# KiCad board TKEEB.kicad_pcb (continued)
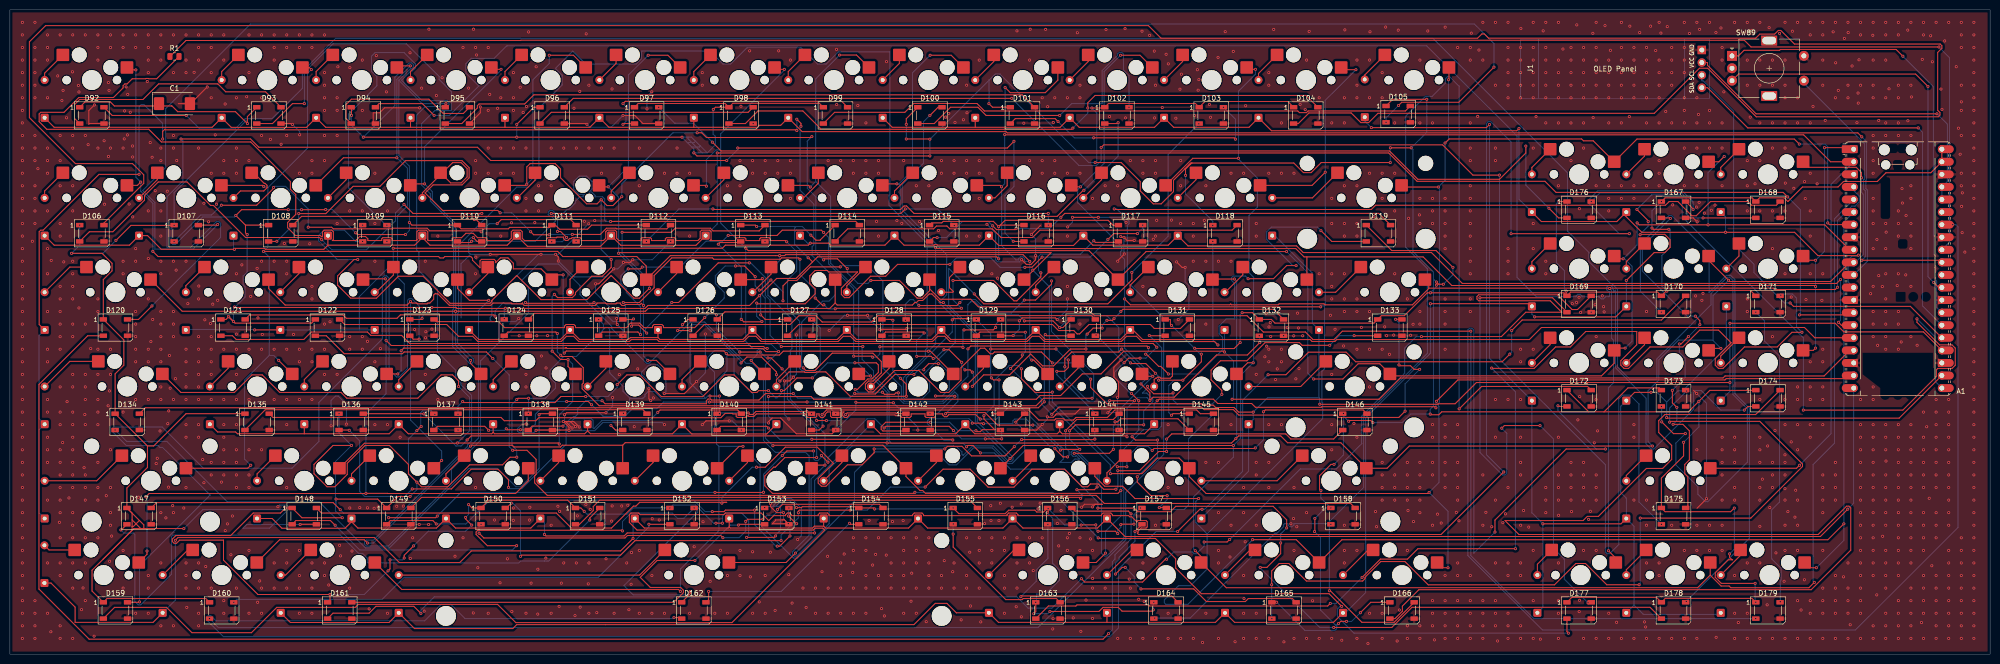
[diagram p0: board, top side]
## Routing (per net, layer and track width the routed paths; a pad name or vN(x,y) marks a point on that pad's centre or on a via; arc(x,y) is an arc through that point) (continued)
Net-(D127-DOUT): length 84.7
  Top w0.2: D127.2 159.14,66.59 210.31,66.59 211.54,65.37 214.62,65.37 215.3,64.69 215.8,64.69 217.7,66.59 230.07,66.59 230.86,65.8 236.14,65.8 D131.4
Net-(D128-DOUT): length 105.9
  Top w0.2: v1(217.07,61.64) 213.96,61.64 210.55,58.23 208.32,58.23 205.92,60.63 201.7,56.41 196.46,56.41 v1(194.15,54.1) ; v1(188.42,61.49) 189.47,61.49 v1(192.01,58.95) ; D128.2 176.67,65.07 184.24,65.07 v1(184.44,64.87) ; v1(186.27,59.73) 185.84,60.16 v1(182.95,60.16) ; v1(194.15,56.97) 193.7,57.42 v1(192.67,57.42) ; D132.4 254.91,69.66 224.54,69.66 v1(224.12,69.24) ; v1(217.32,64.65) 218.53,65.86 v1(220.35,65.86) ; v1(222.74,67.77) 222.4,67.43 v1(221.31,67.43)
  Bottom w0.2: v1(221.31,67.43) 220.35,66.47 v1(220.35,65.86) ; v1(194.15,54.1) 194.35,54.3 194.35,56.77 v1(194.15,56.97) ; v1(224.12,69.24) 224.12,69.15 v1(222.74,67.77) ; v1(182.95,60.16) 182.9,60.21 182.9,63.33 v1(184.44,64.87) ; v1(217.07,61.64) 217.07,64.4 v1(217.32,64.65) ; v1(192.01,58.95) 192.01,58.08 v1(192.67,57.42) ; v1(188.42,61.49) 186.66,59.73 v1(186.27,59.73)
Net-(D129-DOUT): length 129.8
  Top w0.2: v1(201.86,57.71) 204.24,60.09 v1(204.24,60.43) ; v1(204.85,65.03) 204.81,65.07 195.72,65.07 D129.2 ; v1(279.53,67.65) 280.8,67.65 D133.4 ; v1(281.46,49.08) 280.2,47.82 268.05,47.82 267.57,48.29 247.92,48.29 246.82,49.39 240.92,49.39 240.41,49.9 211.64,49.9 v1(210.19,48.45) ; v1(284.4,57.53) 283.28,57.53 282.56,58.25 280.41,58.25 v1(280.23,58.43)
  Bottom w0.2: v1(201.86,57.71) 201.93,57.71 208.07,51.57 208.07,50.57 v1(210.19,48.45) ; v1(280.23,58.43) 280.23,66.95 v1(279.53,67.65) ; v1(204.24,60.43) 204.85,61.04 v1(204.85,65.03) ; v1(284.4,57.53) 281.46,54.59 v1(281.46,49.08)
Net-(D130-DOUT): length 202.5
  Top w0.2: v1(208.67,50.97) 207.47,49.77 27.32,49.77 D134.4 ; D130.2 209.1,64.32 v1(208.87,64.55)
  Bottom w0.2: v1(208.87,64.55) 208.67,64.35 v1(208.67,50.97)
Net-(D131-DOUT): length 266.7
  Top w0.2: v1(229.85,64.37) 229.9,64.32 D131.2 ; D135.4 53.06,47.82 99.06,47.82 99.73,47.15 106.1,47.15 106.71,47.76 143.43,47.76 144.3,48.63 145.74,48.63 145.84,48.53 146.51,48.53 146.51,48.05 146.74,47.82 148.39,47.82 148.61,48.05 148.61,48.2 148.68,48.13 148.96,48.13 149.07,48.02 150.07,48.02 150.58,48.53 160.41,48.53 160.52,48.42 160.66,48.42 160.66,48.05 160.89,47.82 162.54,47.82 162.76,48.05 162.76,48.53 163.25,48.53 163.25,48.17 163.6,47.82 164.1,47.82 164.45,48.17 164.45,48.45 164.92,48.92 165.56,48.92 165.56,48.05 165.79,47.82 167.44,47.82 167.66,48.05 167.66,48.92 168.26,48.92 168.01,48.67 168.01,48.17 168.36,47.82 168.86,47.82 169.21,48.17 169.21,48.32 178.55,48.32 178.7,48.17 179.71,48.17 179.71,48.05 179.94,47.82 181.59,47.82 181.81,48.05 181.81,48.53 184.61,48.53 184.61,48.05 184.84,47.82 186.49,47.82 186.71,48.05 186.71,48.53 188.17,48.53 188.17,48.32 188.53,47.96 189.02,47.96 189.38,48.32 189.38,48.38 194.85,48.38 v1(195.75,47.48)
  Bottom w0.2: v1(229.85,64.37) 232.35,61.87 232.35,46.07 231.62,45.34 228.66,45.34 224.51,41.19 224.51,33.49 224.71,33.29 224.71,23.23 221.28,19.81 220.78,19.81 220.21,20.38 220.21,33.59 219.93,33.87 219.93,34.02 219.73,34.22 219.73,36.61 215.37,40.97 215.16,40.97 214.96,41.17 214.46,41.17 214.11,40.82 214.11,40.32 214.46,39.97 214.96,39.97 215.1,40.11 215.8,39.4 214.83,39.4 214.16,38.73 211.82,38.73 212.52,39.43 212.52,41.47 212.17,41.82 211.98,41.82 203.51,50.29 201.83,50.29 199.02,47.48 v1(195.75,47.48)
Net-(D132-DOUT): length 243.5
  Top w0.2: v1(212.82,58.05) 212.82,59.65 214.2,61.03 223.69,61.03 v1(224.29,61.63) ; v1(221.86,51.19) 226.88,51.19 v1(226.89,51.19) ; v1(225.36,43.91) 225.19,44.08 93.06,44.08 v1(92.24,43.26) ; 71.29,48.57 83.46,48.57 v1(83.49,48.54) ; v1(252.15,62.95) 249.63,60.43 243.41,60.43 234.89,51.9 230.63,51.9 v1(229.98,51.25) 229.98,52.78 v1(228.18,54.58)
  Bottom w0.2: v1(212.82,58.05) 212.82,55.78 217.51,51.09 221.76,51.09 v1(221.86,51.19) ; v1(92.24,43.26) 91.03,42.05 89.98,42.05 v1(83.49,48.54) ; v1(228.18,54.58) 229.35,55.76 229.35,56.57 v1(224.29,61.63) ; v1(252.15,62.95) 252.15,64.22 v1(252.05,64.32) ; v1(229.98,51.25) 229.44,51.79 227.48,51.79 v1(226.89,51.19) 225.36,49.67 v1(225.36,43.91)
Net-(D133-DOUT): length 257.4
  Top w0.2: v1(271.18,64.34) 271.2,64.32 D133.2 ; v1(155.64,53.23) 156.22,53.23 158.78,55.79 v1(161.88,55.79) ; v1(266.26,62.39) 260.69,62.39 260.16,62.92 253.2,62.92 249.54,59.26 244.22,59.26 242.32,57.37 242.32,55.42 244.49,53.25 v1(244.49,52.46) ; v1(213.78,45.11) 214.99,46.32 v1(228.73,46.32) ; v1(116.16,52.04) 111.17,52.04 109.95,50.82 91.53,50.82 v1(91.34,51.01) ; v1(170.52,53.48) 170.97,53.48 173.07,55.59 173.88,55.59 175.2,56.91 175.2,58.42 174.77,58.85 v1(170.46,58.85) ; v1(229.5,54.1) 229.5,53.84 230.75,52.6 234.48,52.6 v1(234.66,52.78) ; v1(215.83,41.36) 212.06,41.36 v1(211.92,41.22) ; v1(206.36,46.27) 199.25,46.27 196.74,48.78 188.99,48.78 188.65,48.44 ; v1(122.51,54.45) 124.47,56.41 127.04,56.41 131.42,52.02 139.75,52.02 144.14,56.41 146.09,56.41 149.63,52.86 150.69,52.86 151.06,53.23 v1(153.02,53.23) ; v1(90.4,48.46) 90.41,48.47 D137.4 ; v1(176.01,52.91) 176.43,52.49 178.46,52.49 178.75,52.78 v1(179.23,52.78)
  Bottom w0.2: v1(211.92,41.22) 206.87,46.27 v1(206.36,46.27) ; v1(116.16,52.04) 120.66,52.04 122.51,53.89 v1(122.51,54.45) ; v1(176.01,52.91) 171.09,52.91 v1(170.52,53.48) ; v1(213.78,45.11) 213.78,43.41 v1(215.83,41.36) ; v1(155.64,53.23) 155.64,52.66 154.77,51.79 154.47,51.79 v1(153.02,53.23) ; v1(271.18,64.34) 268.21,64.34 v1(266.26,62.39) ; v1(179.23,52.78) 179.23,51.71 180.25,50.69 188.37,50.69 190.62,52.94 190.63,52.94 191.23,52.34 191.23,51.02 v1(188.78,48.56) ; v1(90.4,48.46) 90.4,50.07 v1(91.34,51.01) ; v1(229.5,54.1) 229.5,53.76 228.47,52.73 229.35,52.73 230.58,51.5 230.58,51 228.73,49.15 v1(228.73,46.32) ; v1(170.46,58.85) 164.94,58.85 v1(161.88,55.79) ; v1(244.49,52.46) 242.54,50.51 235.48,50.51 234.66,51.33 v1(234.66,52.78)
Net-(D134-DOUT): length 118.8
  Top w0.2: v1(106.75,48.36) 106.96,48.57 D138.4
  Bottom w0.2: v1(21.22,45.27) 23.51,42.98 31.64,42.98 43.89,30.73 62.43,30.73 71.73,21.44 76.51,21.44 92.6,37.52 98.36,37.52 102.07,33.81 103.07,33.81 106.75,37.5 v1(106.75,48.36)
Net-(D135-DOUT): length 83.1
  Top w0.2: D135.2 51.51,49.37 127.71,49.37 D139.4
Net-(D136-DOUT): length 109.1
  Top w0.2: v1(130.7,48.85) 131.17,49.32 146.81,49.32 D140.4 ; v1(100.58,33.68) 100.58,35.24 98.46,37.36 93.05,37.36 89.07,33.37 v1(81.17,33.37) ; D136.2 68.4,45.27 v1(68.45,45.22)
  Bottom w0.2: v1(130.7,48.85) 129.03,47.18 119.44,47.18 117.85,45.6 117.74,45.6 117.64,45.7 117.64,47.23 117.32,47.54 115.8,47.54 115.75,47.59 113.86,47.59 112.19,45.93 112.19,45.4 112.19,45.4 112.19,44.9 112.19,44.9 112.19,42.37 103.23,33.41 100.85,33.41 v1(100.58,33.68) ; v1(81.17,33.37) 79.64,31.84 71.57,31.84 70.57,32.85 70.57,43.1 v1(68.45,45.22)
Net-(D137-DOUT): length 88.9
  Top w0.2: v1(117.34,50.37) 116.67,51.04 v1(112.33,51.04) ; v1(103.01,45.32) 100.33,45.32 v1(100.13,45.52) ; v1(141.1,50.93) v1(160.82,50.93) ; v1(96.58,45.22) 95.78,46.02 86.26,46.02 D137.2
  Bottom w0.2: v1(166.61,48.57) 164.25,50.93 v1(160.82,50.93) ; v1(103.01,45.32) 104.88,45.32 106.01,46.45 106.01,48.47 108.58,51.04 v1(112.33,51.04) ; v1(100.13,45.52) 99.83,45.22 v1(96.58,45.22) ; v1(141.1,50.93) 131.86,50.93 130.51,49.58 125.6,49.58 124.07,48.05 119.66,48.05 v1(117.34,50.37)
Net-(D138-DOUT): length 111
  Top w0.2: v1(190.63,52.09) 190.57,52.15 v1(186.72,52.15) ; v1(185.61,48.55) 185.63,48.57 D142.4 ; v1(170.43,52.69) 170.56,52.56 174.6,52.56 178.54,56.5 v1(182.37,56.5) ; v1(184.36,57.44) 184.36,57.68 185.36,58.68 v1(187.3,58.68) ; v1(119.46,51.19) 120.08,50.57 140.5,50.57 140.5,51.18 140.85,51.53 141.35,51.53 141.55,51.33 151.11,51.33 152.41,52.63 v1(158.03,52.63) ; v1(111.58,46.06) 105.35,46.06 D138.2
  Bottom w0.2: v1(190.63,52.09) 187.09,48.55 v1(185.61,48.55) ; v1(170.43,52.69) 169.46,51.72 158.95,51.72 v1(158.03,52.63) ; v1(111.58,46.06) 113.12,47.6 113.3,47.6 113.69,47.99 114.05,47.99 114.55,48.49 114.55,49.58 116.16,51.19 v1(119.46,51.19) ; v1(182.37,56.5) 183.32,57.44 v1(184.36,57.44) ; v1(187.3,58.68) 187.57,58.68 189.5,56.75 189.5,53.57 188.08,52.15 v1(186.72,52.15)
Net-(D139-DOUT): length 165.3
  Top w0.2: v1(121.25,46.18) 122.16,45.27 D139.2 ; D143.4 204.63,48.57 v1(202.93,46.87)
  Bottom w0.2: v1(202.93,46.87) 204.71,45.08 204.71,41.03 202.19,38.5 201.36,38.5 198.21,41.64 194.37,41.64 190.97,38.24 189.43,38.24 186.81,40.86 174.53,40.86 170.38,36.71 170.38,30.89 158.89,19.41 158.06,19.41 151.33,26.14 151.33,38.24 149.98,39.59 149.98,52.51 146.09,56.41 146.09,60.03 144.76,61.35 142.16,61.35 140.72,59.91 140.72,58.38 142.14,56.96 142.14,44.48 122.95,44.48 v1(121.25,46.18)
Net-(D140-DOUT): length 107.4
  Top w0.2: v1(196.43,46.55) 196.33,46.45 196.28,46.45 196.06,46.66 v1(194.15,46.66) ; v1(153.02,45.67) 152.67,46.02 143.41,46.02 D140.2 ; D144.4 222.61,47.42 215.24,47.42 212.98,45.16 v1(212.98,45.11) ; v1(190.22,43.25) 190.07,43.4 v1(161.78,43.4) ; v1(213.36,39.84) 212.45,39.84 v1(210.8,41.49)
  Bottom w0.2: v1(194.15,46.66) 194.15,46.92 193.52,47.54 185.54,47.54 185.09,47.09 185.09,46.59 188.43,43.25 v1(190.22,43.25) ; v1(161.78,43.4) 155.29,43.4 v1(153.02,45.67) ; v1(213.36,39.84) 213.67,40.15 213.67,40.97 212.98,41.66 v1(212.98,45.11) ; v1(196.43,46.55) 202.29,46.55 ; v1(210.8,41.49) 210.27,42.02 209.76,42.02 205.66,46.12 205.66,46.88 205.07,47.47 202.68,47.47 202.33,47.12 202.33,46.51
Net-(D141-DOUT): length 86.6
  Top w0.2: D145.4 240.16,48.57 239.41,49.32 222.91,49.32 221.41,47.82 215.07,47.82 214.54,47.29 212.83,47.29 212.57,47.54 211,47.54 210.75,47.29 207.57,47.29 205.54,49.32 164.75,49.32 v1(163.85,48.42) ; D141.2 163.26,45.27 v1(164.05,46.06)
  Bottom w0.2: v1(164.05,46.06) 163.85,46.26 v1(163.85,48.42)
Net-(D142-DOUT): length 139.1
  Top w0.2: v1(210.3,52.93) 210.23,52.86 206.85,52.86 204.06,55.65 v1(204.06,57.64) ; v1(225.33,37.85) 223.41,37.85 v1(223.4,37.86) ; v1(251.24,41.65) 251.12,41.53 230.82,41.53 v1(230.44,41.15) ; D146.4 273.02,49.32 253.25,49.32 v1(252.89,48.96) ; D142.2 180.57,45.08 176.12,45.08 175.77,45.43 175.77,45.93 176.68,46.84 v1(185.69,46.84) ; v1(196.49,48.18) 196.49,47.52 198.67,45.34 196.17,45.34 195.77,44.94 195.09,44.94 v1(194.89,45.14)
  Bottom w0.2: v1(204.06,57.64) 203.39,58.31 201.61,58.31 198.57,55.27 198.57,50.26 v1(196.49,48.18) ; v1(230.44,41.15) 229.65,41.94 227.53,41.94 225.33,39.74 v1(225.33,37.85) ; v1(252.89,48.96) 252.89,43.3 v1(251.24,41.65) ; v1(185.69,46.84) 189.58,46.84 191.28,45.14 v1(194.89,45.14) ; v1(223.4,37.86) 210.3,50.96 v1(210.3,52.93)
Net-(D143-DOUT): length 191.9
  Top w0.2: v1(66.64,29.17) 65.21,30.6 29.58,30.6 D147.4 ; v1(86.22,27.89) 85.89,27.56 v1(76.4,27.56) ; v1(163.71,40.12) 163.71,40.1 v1(165.03,38.78) ; v1(142.24,32.67) 152,32.67 v1(152.02,32.69) ; v1(155.81,40.1) 156.75,41.04 v1(162.12,41.04) ; v1(190.34,45.17) 189.49,46.02 176.71,46.02 v1(176.37,45.68) ; v1(196.78,43.48) v1(200.08,43.48)
  Bottom w0.2: v1(200.08,43.48) 200.08,45 v1(199.81,45.27) ; v1(165.03,38.78) 165.03,39.67 172.9,47.54 174.5,47.54 v1(176.37,45.68) ; v1(155.81,40.1) 152.02,36.31 v1(152.02,32.69) ; v1(66.64,29.17) 67.32,28.49 75.47,28.49 v1(76.4,27.56) ; v1(163.71,40.12) 163.71,39.81 163,39.1 162.5,39.1 162.12,39.48 v1(162.12,41.04) ; v1(190.34,45.17) 192.03,43.48 v1(196.78,43.48) ; v1(142.24,32.67) 90.99,32.67 v1(86.22,27.89)
Net-(D144-DOUT): length 186
  Top w0.2: v1(143.64,30.5) 143.8,30.67 144.6,30.67 127.05,30.67 126.28,29.9 125.78,29.9 121.35,25.47 113.26,25.47 110.24,28.49 62.86,28.49 D148.4 ; v1(218.88,43.44) 218.77,43.33 v1(204.11,43.33) ; v1(202.62,41.91) 200.76,40.05 193.99,40.05 192.06,41.98 189.14,41.98 v1(188.61,41.45) ; v1(150.61,37.76) 152.38,37.76 156.42,41.8 162.88,41.8 166.14,38.54 163.06,35.47 163.06,34.56 163.71,33.91 164.62,33.91 168.95,38.24 171.92,38.24 174.35,40.68 v1(174.35,41.45)
  Bottom w0.2: v1(143.64,30.5) 143.64,31.65 149.75,37.76 v1(150.61,37.76) ; v1(174.35,41.45) v1(188.61,41.45) ; v1(204.11,43.33) 204.04,43.33 v1(202.62,41.91) ; v1(218.86,45.27) 218.88,45.25 v1(218.88,43.44)
Net-(D145-DOUT): length 181.8
  Top w0.2: v1(216.01,31.47) 215.82,31.66 83.03,31.66 D149.4 ; D145.2 235.64,47.54 224.07,47.54 223.45,46.92 v1(222.95,46.92) ; v1(215.25,33.21) 218.77,33.21 v1(219.33,33.77) ; v1(214.71,40.57) 221.81,40.57 v1(222.61,41.37)
  Bottom w0.2: v1(214.71,40.57) 215.2,40.57 219.33,36.44 v1(219.33,33.77) ; v1(222.61,41.37) 222.61,46.08 222.95,46.42 v1(222.95,46.92) ; v1(216.01,31.47) 216.28,31.74 216.28,32.18 v1(215.25,33.21)
Net-(D146-DOUT): length 202.4
  Top w0.2: v1(223.12,33.31) 220.64,33.31 219.58,34.37 218,34.37 217.44,33.81 216.31,33.81 212.76,37.36 206.17,37.36 202.54,33.73 197.34,33.73 193.71,37.36 188.25,37.36 v1(184.64,33.75) ; v1(169.52,29.09) 159.28,29.09 159.06,28.88 v1(159.06,28.57) ; v1(233.35,40.93) 231.75,40.93 227.88,37.06 v1(223.51,37.06) ; v1(233.35,43.44) 234.39,44.48 257.39,44.48 258.41,43.46 267.06,43.46 D146.2 ; v1(155.58,22.93) 154.46,22.93 154.45,22.92 126.12,22.92 123.2,20 103.25,20 v1(103,19.75) ; 100.05,29.52 D150.4 100.18,29.52 v1(101.16,30.5)
  Bottom w0.2: v1(103,19.75) 103,28.95 101.45,30.5 v1(101.16,30.5) ; v1(223.12,33.31) 223.51,33.7 v1(223.51,37.06) ; v1(155.58,22.93) 155.58,24.05 159.06,27.53 v1(159.06,28.57) ; v1(233.35,43.44) v1(233.35,40.93) ; v1(169.52,29.09) 172.96,29.09 177.62,33.75 v1(184.64,33.75)
Net-(D147-DOUT): length 130.4
  Top w0.2: D147.2 22.47,25.09 v1(22.38,25.09) ; v1(116.98,27.09) 116.98,27.51 D151.4
  Bottom w0.2: v1(116.98,27.09) 108.7,18.81 108.38,18.81 108.37,18.8 107.87,18.8 107.86,18.81 103.07,18.81 102.69,18.43 72.25,18.43 72.19,18.49 72.19,19.27 71.11,20.35 70.33,20.35 66.65,24.03 32.87,24.03 32.59,23.75 32.59,16.15 26.39,9.95 25.89,9.95 25.19,10.65 25.19,24.21 24.94,24.46 23.01,24.46 v1(22.38,25.09)
Net-(D148-DOUT): length 106.1
  Top w0.2: v1(102.22,21.9) 96.32,21.9 94.05,24.17 94.05,24.67 94.4,25.02 123.45,25.02 v1(123.58,24.89) ; v1(65.61,26.03) 64.67,26.97 57.69,26.97 D148.2
  Bottom w0.2: v1(102.22,21.9) 101.36,21.04 70.61,21.04 v1(65.61,26.03) ; v1(123.58,24.89) 123.58,26.8 125.28,28.49 133.62,28.49 134.7,27.42 135.93,27.42 v1(138.04,29.52)
Net-(D149-DOUT): length 97.6
  Top w0.2: v1(141.69,28.78) 144.05,28.78 144.36,29.09 v1(150.24,29.09) ; v1(154.81,21.81) 155.31,21.81 v1(157.37,23.87) ; v1(158.72,26.34) 158.63,26.34 v1(157.08,27.89) ; v1(86.01,26.29) 85.33,26.97 76.74,26.97 D149.2
  Bottom w0.2: v1(141.69,28.78) 140.26,28.78 137.94,31.1 96.8,31.1 91.99,26.29 v1(86.01,26.29) ; v1(158.72,26.34) 157.37,24.99 v1(157.37,23.87) ; v1(154.81,21.81) 154.55,21.81 150.24,26.12 v1(150.24,29.09) ; v1(157.08,27.89) 157.08,29.44 v1(157.16,29.52)
Net-(D150-DOUT): length 88.7
  Top w0.2: v1(154.86,29.24) 155.89,30.27 175.39,30.27 D154.4 ; v1(151.93,27.24) 148.86,27.24 v1(148.44,26.82) ; v1(143.84,23.52) 143.39,23.97 124.59,23.97 124.09,23.47 95.6,23.47 v1(94.65,24.42)
  Bottom w0.2: v1(143.84,23.52) 147.1,23.52 148.44,24.86 v1(148.44,26.82) ; v1(151.93,27.24) 152.74,28.05 154.09,28.05 154.86,28.82 v1(154.86,29.24) ; v1(95.04,26.22) 94.65,25.83 v1(94.65,24.42)
Net-(D151-DOUT): length 84.3
  Top w0.2: D151.2 114.9,26.22 117.68,29 117.68,29.81 118.97,31.1 193.61,31.1 D155.4
Net-(D152-DOUT): length 94.8
  Top w0.2: v1(128.91,26.23) 128.92,26.22 D152.2
  Bottom w0.2: v1(128.91,26.23) 128.91,25.71 118.7,15.51 79.54,15.51 75.1,11.07 45.77,11.07 v1(45.17,10.47)
Net-(D153-DOUT): length 107.5
  Top w0.2: D161.4 133.92,10.47 135.87,12.42 135.87,12.91 135.31,13.47 129.2,13.47 127.16,15.51 130.57,18.92 v1(138.2,18.92) ; v1(146.97,26.07) 147.12,26.22 D153.2
  Bottom w0.2: v1(146.97,26.07) 145.35,26.07 v1(138.2,18.92)
Net-(D154-DOUT): length 38.5
  Top w0.2: v1(169.37,26.43) 169.58,26.22 D154.2 ; v1(140.96,12.66) 140.96,11.01 D162.4
  Bottom w0.2: v1(140.96,12.66) 155.6,12.66 v1(169.37,26.43)
Net-(D155-DOUT): length 31.2
  Top w0.2: v1(190.32,26.3) 190.29,26.27 D155.2 ; v1(190.29,24.26) 190.29,21.62 200.91,11 204.2,11 204.42,11.22 211.11,11.22 D163.4
  Bottom w0.2: v1(190.29,24.26) 190.27,24.28 190.27,26.25 v1(190.32,26.3)
Net-(D156-DOUT): length 49.2
  Top w0.2: v1(203.95,11.6) 204.1,11.75 234.39,11.75 D164.4 ; D156.2 209.39,26.22 v1(209.4,26.21)
  Bottom w0.2: v1(203.95,11.6) 207.05,14.7 207.05,17 209.4,19.35 v1(209.4,26.21)
Net-(D157-DOUT): length 53.4
  Top w0.2: v1(223.04,16.17) 224.39,17.52 v1(225,17.52) ; v1(228.18,13.17) 238.83,13.17 241.39,10.61 249.22,10.61 249.83,11.22 258.73,11.22 D165.4 ; D157.2 226.97,24.8 v1(226.97,24.77)
  Bottom w0.2: v1(228.18,13.17) 226.82,14.53 226.82,15.7 v1(225,17.52) ; v1(223.04,16.17) 223.04,18.41 223.75,19.12 223.75,19.59 226.97,22.81 v1(226.97,24.77)
Net-(D158-DOUT): length 35
  Top w0.2: D166.4 279.24,6.42 272.75,6.42 266.37,12.8 v1(266.19,12.8)
  Bottom w0.2: v1(266.19,12.8) 266.19,25.92 v1(266.49,26.22)
Net-(D159-DOUT): length 554.3
  Top w0.2: v1(301.37,36.79) 301.34,36.79 288.72,24.17 227.68,24.17 227.45,24.4 227.57,24.52 227.57,24.84 228.2,25.47 229.21,25.47 229.44,25.7 229.44,26.74 229.21,26.97 227.56,26.97 227.34,26.74 227.34,26.72 226.32,27.74 225.92,27.74 225.69,27.97 222.41,27.97 222.41,28.18 222.1,28.49 220.53,28.49 220.21,28.18 220.21,27.97 203.36,27.97 203.36,28.18 203.05,28.49 201.48,28.49 201.16,28.18 201.16,27.97 184.31,27.97 184.31,28.18 184,28.49 182.43,28.49 182.11,28.18 182.11,27.97 165.26,27.97 165.26,28.18 164.95,28.49 163.38,28.49 163.06,28.18 163.06,27.97 157.68,27.97 157.68,28.14 157.33,28.5 156.83,28.5 156.48,28.14 156.48,27.97 154.08,27.97 153.08,26.97 151.56,28.49 144.33,28.49 144.01,28.18 127.16,28.18 126.85,28.49 125.28,28.49 124.96,28.18 124.96,26.61 126.5,25.07 162.08,25.07 162.46,25.45 164,25.45 164.38,25.07 145.66,6.35 102.07,6.35 98.37,10.05 70.29,10.05 69.68,9.44 53.84,9.44 48.72,4.32 36.72,4.32 31.6,9.44 21.11,9.44 D159.2 ; D167.4 339.57,89.93 v1(339.57,89.85) ; v1(302.84,84.94) v1(326.7,84.94)
  Bottom w0.2: v1(326.7,84.94) 324.66,84.94 318.41,91.18 318.41,91.68 320.33,93.6 337.35,93.6 339.57,91.38 v1(339.57,89.85) ; v1(302.84,84.94) 302.84,103.48 298.73,107.59 298.23,107.59 297.88,107.23 297.88,40.28 v1(301.37,36.79)
Net-(D160-DOUT): length 405.8
  Top w0.2: D168.4 356.36,90.68 351.39,90.68 350.64,91.43 343.07,91.43 340.19,88.55 339.32,88.55 337.24,90.64 337.24,90.68 336.49,91.43 334.74,91.43 333.99,90.68 275.5,90.68 274.64,89.82 222.9,89.82 v1(222.78,89.94)
  Bottom w0.2: v1(222.78,89.94) 223.3,89.94 225.77,87.47 225.77,86.97 225.42,86.62 225.42,75.24 232.75,67.91 232.75,40.31 225.11,32.66 225.11,23.07 207.41,5.36 42.08,5.36 v1(40.27,7.17)
Net-(D161-DOUT): length 329.9
  Top w0.2: D161.2 65.18,8.27 72.46,8.27 73.84,9.65 81.48,9.65 v1(82.92,8.22) ; v1(284.76,64.14) 300.89,64.14 305.81,69.07 313.06,69.07 310.74,71.39 296.31,71.39 295.96,71.74 295.96,72.24 296.31,72.59 312.18,72.59 315.16,69.61 316.24,69.61 D169.4 ; v1(240.92,22.65) 245.55,22.65 v1(246.07,23.17) ; v1(233.35,19.17) 233.11,19.17 228.5,14.56 216.83,14.56 v1(216.16,15.23)
  Bottom w0.2: v1(233.35,19.17) 234.81,20.63 238.54,20.63 238.89,20.28 239.39,20.28 240.92,21.82 v1(240.92,22.65) ; v1(216.16,15.23) 210.21,9.28 205.42,9.28 203.13,11.57 85.61,11.57 82.92,8.88 v1(82.92,8.22) ; v1(284.76,64.14) 283.7,64.14 281.38,61.83 281.38,56.74 272.72,48.08 272.72,42.52 267.62,37.42 260.32,37.42 v1(246.07,23.17)
Net-(D162-DOUT): length 447.5
  Top w0.2: v1(133.97,7.38) 135.31,7.38 D162.2 ; v1(240.5,29.26) 240.05,29.26 v1(235.58,24.79) ; v1(302.97,65.38) 305.09,67.5 333.18,67.5 D170.4 ; v1(253.83,56.44) 257.42,56.44 261.98,60.99 269.57,60.99 271.51,59.06 301.04,59.06 v1(302.59,60.61)
  Bottom w0.2: v1(302.97,65.38) 302.97,60.99 v1(302.59,60.61) ; v1(133.97,7.38) 133.77,7.18 91.82,7.18 88.94,10.05 87,10.05 83.68,6.74 41.55,6.74 40.52,7.77 40.02,7.77 39.67,7.42 39.67,6.92 43.06,3.53 221.89,3.53 223.64,5.28 223.64,17.17 231.26,24.79 v1(235.58,24.79) ; v1(253.83,56.44) 248.69,51.3 248.69,36.92 241.03,29.26 v1(240.5,29.26)
Net-(D163-DOUT): length 246.2
  Top w0.2: D163.2 209.51,9.72 215.05,9.72 215.28,9.95 229.72,9.95 229.95,9.72 265.85,9.72 v1(266.37,10.24) ; v1(298.92,57.79) 298.98,57.73 307.49,57.73 311.82,62.06 314.79,62.06 317.9,65.17 328.2,65.17 328.2,62.49 324.99,59.28 324.99,58.37 325.63,57.73 326.54,57.73 330.87,62.06 337.5,62.06 340.9,65.46 344.69,65.46 347.25,62.9 344.04,59.69 344.04,58.37 344.68,57.73 345.59,57.73 349.92,62.06 356.55,62.06 359.51,65.02 v1(361.53,65.02) ; v1(303.72,21.29) 284.05,21.29 281.95,19.19 276.48,19.19 v1(272.78,15.49)
  Bottom w0.2: v1(361.53,65.02) 360.44,66.11 360.44,71.91 359.61,72.74 357.47,72.74 v1(357.25,72.52) ; v1(303.72,21.29) 303.72,52.99 v1(298.92,57.79) ; v1(266.37,10.24) 267.53,10.24 v1(272.78,15.49)
Net-(D164-DOUT): length 245.9
  Top w0.2: D172.4 318.26,54.08 296.91,54.08 v1(292.37,49.54) ; v1(230.96,7.28) 230.85,7.17 D164.2
  Bottom w0.2: v1(292.37,49.54) 292.37,114.74 290.47,116.64 289.97,116.64 289.62,116.28 289.62,115.39 286.92,112.69 285.59,112.69 281.57,108.67 281.57,82.23 285.95,77.85 285.95,60.75 273.12,47.91 273.12,33.7 265.76,26.34 259.03,26.34 259.03,26.08 258.68,25.73 258.18,25.73 257.83,26.08 257.83,26.34 257.13,26.34 256.96,26.17 256.96,25.79 255.59,24.41 255.2,24.41 238.07,7.28 v1(230.96,7.28)
Net-(D165-DOUT): length 182.7
  Top w0.2: v1(328.67,14.01) 322.15,14.01 317.85,18.31 315.91,18.31 311.59,13.99 286.13,13.99 281.42,18.7 276.56,18.7 273.38,15.52 273.38,15.24 272.9,14.76 261.55,14.76 258,18.31 256.06,18.31 254.55,16.8 v1(254.55,14.01) ; v1(328.9,27.48) 351.21,27.48 361.64,37.91 361.64,38.41 353.02,47.02 334.99,47.02 v1(334.83,46.86) ; D173.4 338.06,53.33 v1(338.25,53.14)
  Bottom w0.2: v1(328.9,27.48) 328.9,14.24 v1(328.67,14.01) ; v1(254.55,14.01) 254.55,7.2 v1(254.58,7.17) ; v1(338.25,53.14) 334.83,49.73 v1(334.83,46.86)
Net-(D166-DOUT): length 256
  Top w0.2: D166.2 279.42,7.17 280.91,8.66 280.91,9.69 284.23,13.01 363.38,13.01 371.37,20.99 371.37,29.53 371.02,29.88 370.52,29.88 364.8,24.17 304.42,24.17 301.62,26.97 317.37,26.97 318.22,27.82 320.45,27.82 330.14,37.51 333.43,37.51 335.24,39.33 335.24,42.16 332.63,44.77 332.63,47.17 333.85,48.39 352.17,48.39 D174.4
Net-(D167-DOUT): length 75.9
  Top w0.2: v1(334.98,88.01) 334.86,88.13 D167.2 ; v1(336.28,49.85) 335.38,50.75 v1(335.38,53.29) ; D175.4 338.51,29.97 338.51,35.82 337.89,36.44 337.89,38.32 338.81,39.24 338.81,45.11 337.5,46.42 v1(335.53,46.42) ; v1(340.93,66.58) 340.93,67.37 v1(340.02,68.28) ; v1(336.79,62.66) 337.13,62.66 v1(338.61,64.14)
  Bottom w0.2: v1(335.53,46.42) 336.28,47.17 v1(336.28,49.85) ; v1(336.79,62.66) 336.79,60.97 337.96,59.8 337.96,55.87 v1(335.38,53.29) ; v1(338.61,64.14) 340.93,66.46 v1(340.93,66.58) ; v1(340.02,68.28) 338.43,68.28 329.33,77.38 329.33,82.36 v1(334.98,88.01)
Net-(D168-DOUT): length 38
  Top w0.2: D168.2 352.2,88.12 v1(341.57,88.12)
  Bottom w0.2: v1(319.01,91.43) 320.78,93.2 337.18,93.2 338.14,92.23 338.14,88.97 338.99,88.12 v1(341.57,88.12)
Net-(D169-DOUT): length 115.4
  Top w0.2: v1(300.96,45.64) 301.49,46.17 v1(308.68,46.17) ; v1(296.56,71.99) 311.21,71.99 D169.2 ; v1(318.37,10.36) 318.48,10.47 D177.4
  Bottom w0.2: v1(296.56,71.99) 296.56,40.75 301.12,36.19 301.62,36.19 301.97,36.54 301.97,44.63 v1(300.96,45.64) ; v1(318.37,10.36) 313.57,15.16 313.57,19.19 311.4,21.37 311.4,43.45 v1(308.68,46.17)
Net-(D170-DOUT): length 121.8
  Top w0.2: D178.4 337.95,10.47 338.14,10.66 v1(338.18,10.66)
  Bottom w0.2: v1(333.16,69.08) 328.93,73.32 328.93,82.81 334.73,88.61 335.23,88.61 342.79,81.05 342.79,73.03 346.3,76.53 347.13,76.53 348,75.67 348,52.62 350.9,49.72 350.9,23.38 v1(338.18,10.66)
Net-(D171-DOUT): length 62.1
  Top w0.2: v1(357.15,10.58) 357.11,10.54 D179.4
  Bottom w0.2: v1(357.15,10.58) 357.15,14.82 357.33,14.99 357.33,17.35 355.41,19.27 355.41,29.13 357.01,30.73 357.01,60.21 353.97,63.25 353.97,67.32 v1(352.21,69.08)
Net-(D173-DOUT): length 473.9
  Top w0.2: D92.4 20.63,108.83 v1(35.58,108.83) ; v1(338,44.54) 335.61,44.54 v1(333.23,46.92)
  Bottom w0.2: v1(333.16,50.03) 333.23,49.96 v1(333.23,46.92) ; v1(338,44.54) 336.08,42.63 336.08,38.24 340.51,33.81 340.51,32.31 342.03,30.79 342.53,30.79 350.5,38.76 350.5,49.55 347.6,52.45 347.6,75.5 346.97,76.13 346.47,76.13 343.19,72.86 343.19,70.57 332.24,59.62 332.24,55.52 326.8,55.52 324.32,58.01 324.32,73.69 323.15,74.86 322.96,74.86 318.52,79.3 318.52,81.18 314.22,85.49 314.22,97.27 287.08,124.41 65.71,124.41 58.99,117.68 58.99,114.26 52.9,108.18 47.49,108.18 45.43,106.12 38.29,106.12 v1(35.58,108.83)
Net-(D174-DOUT): length 371.5
  Top w0.2: D94.4 74.48,111.21 83.2,111.21 v1(85.58,108.83) ; v1(349.9,49.3) 350.63,50.03 D174.2
  Bottom w0.2: v1(349.9,49.3) 345.16,49.3 341.21,53.25 340.04,53.25 339.69,52.9 339.69,49.51 331.61,41.43 331.12,41.43 330.08,42.47 330.08,51.68 323.92,57.84 323.92,73.53 323.52,73.12 323.52,73.64 323.33,73.83 323.33,74.11 322.98,74.46 322.48,74.46 322.13,74.11 322.13,73.61 322.48,73.26 322.71,73.26 322.71,72.32 322.59,72.2 321.85,72.2 321.85,72.13 321.5,71.78 321,71.78 320.65,72.13 320.65,72.2 317.15,72.2 317.15,72.33 316.8,72.68 316.3,72.68 315.95,72.33 315.95,72.2 307.95,72.2 304.04,76.11 304.04,104.69 285.82,122.91 100.24,122.91 97.7,120.37 93.07,120.37 91.99,119.28 91.99,117.4 94.61,114.77 88.67,108.83 v1(85.58,108.83)
Net-(D175-DOUT): length 350.2
  Top w0.2: D96.4 113.64,112.28 v1(202.11,112.28) ; v1(300.5,96.77) 295.15,96.77 289.03,102.88 220.67,102.88 v1(220.15,102.36)
  Bottom w0.2: v1(300.5,96.77) 300.5,59.63 321.88,38.25 321.88,20.63 322.23,20.28 322.73,20.28 324.57,22.12 324.57,51.57 325.3,52.31 326.87,52.31 328.64,50.54 328.64,30.74 v1(333.16,26.22) ; v1(202.11,112.28) 215.68,98.71 219.18,98.71 220.15,99.67 v1(220.15,102.36)
Net-(D176-DOUT): length 203.5
  Top w0.2: v1(310.48,90.08) 312.43,88.13 D176.2 ; v1(141.71,103.43) 143.49,101.65 278.33,101.65 284.05,95.93 300.51,95.93 305.82,101.24 v1(305.82,102.64)
  Bottom w0.2: v1(310.48,90.08) 305.82,94.74 v1(305.82,102.64) ; v1(130.89,110.48) 134.12,107.26 137.88,107.26 v1(141.71,103.43)

## Copper pours and planes (outline as drawn; the poured copper is in the pictures)
GND on Top, Bottom: -0.03,130.01 399.41,130.17 399.48,0.08 0.07,-0.01 0.04,-0.04
